# KiCad board IO_SDR_1.1.kicad_pcb (continued)
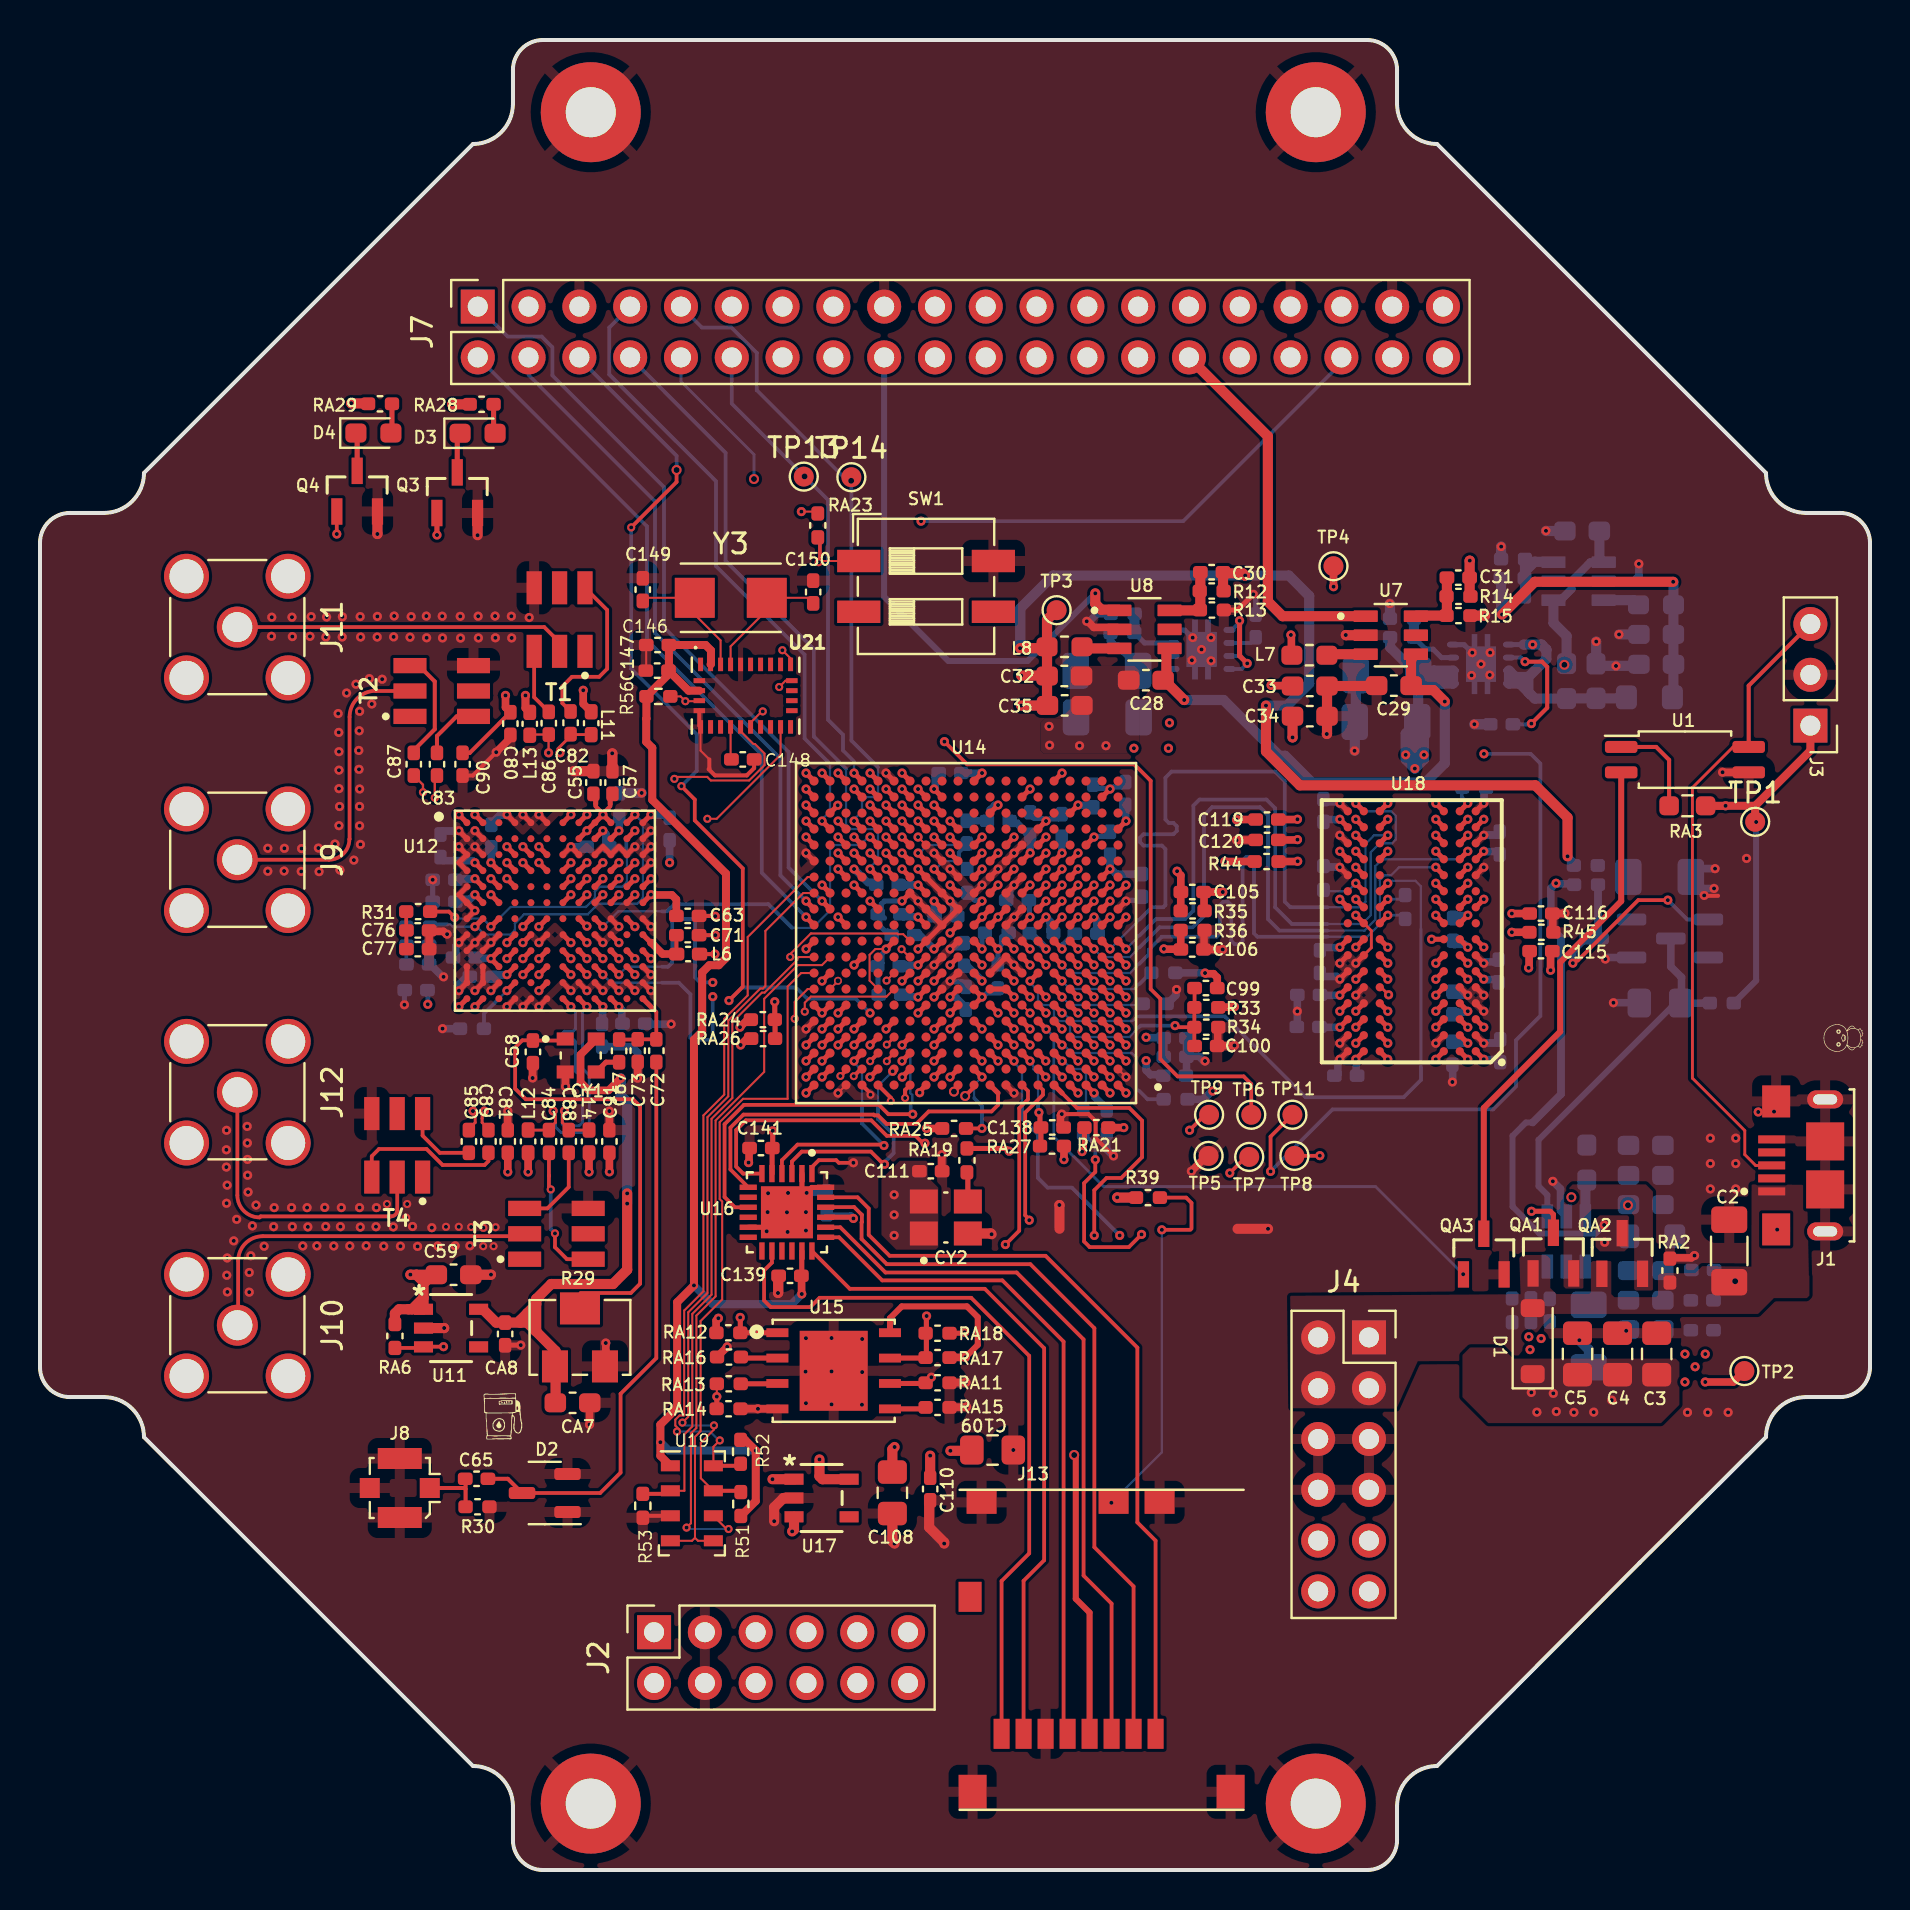
[diagram p0: board, top side]
## Placement (name value [footprint] x y rotation side) (continued)
RA22  20K  [R_0402_1005Metric_Pad0.72x0.64mm_HandSolder]  56.78 38.54 0 bottom
RA23  20K  [R_0402_1005Metric_Pad0.72x0.64mm_HandSolder]  38.89 67.23 270 top
RA24  100K  [R_0402_1005Metric_Pad0.72x0.64mm_HandSolder]  36.14 42.52 0 top
RA25  20K  [R_0402_1005Metric_Pad0.72x0.64mm_HandSolder]  45.7 37.08 180 top
RA26  100K  [R_0402_1005Metric_Pad0.72x0.64mm_HandSolder]  36.16 41.57 0 top
RA27  20K  [R_0402_1005Metric_Pad0.72x0.64mm_HandSolder]  50.6 36.19 180 top
RA28  4.7K  [R_0402_1005Metric_Pad0.72x0.64mm_HandSolder]  22.08 73.29 0 top
RA29  4.7K  [R_0402_1005Metric_Pad0.72x0.64mm_HandSolder]  17 73.31 0 top
SW1  SW_DIP_x02  [SW_DIP_SPSTx02_Slide_6.7x6.64mm_W6.73mm_P2.54mm_LowProfile_JPin]  44.3 64.18 0 top
T1  TCM1-63AX_  [XFMR_TCM1-63AX_]  25.98 62.52 180 top
T2  TCM1-63AX_  [XFMR_TCM1-63AX_]  20.09 58.95 90 top
T3  TCM1-63AX_  [XFMR_TCM1-63AX_]  25.82 31.81 90 top
T4  TCM1-63AX_  [XFMR_TCM1-63AX_]  17.86 36.23 180 top
TP1  TestPoint  [TestPoint_Pad_D1.0mm]  85.76 52.41 0 top
TP2  TestPoint  [TestPoint_Pad_D1.0mm]  85.22 24.95 0 top
TP3  TestPoint  [TestPoint_Pad_D1.0mm]  50.83 62.99 0 top
TP4  TestPoint  [TestPoint_Pad_D1.0mm]  64.67 65.19 0 top
TP5  TestPoint  [TestPoint_Pad_D1.0mm]  58.43 35.7 0 top
TP6  TestPoint  [TestPoint_Pad_D1.0mm]  60.56 37.76 0 top
TP7  TestPoint  [TestPoint_Pad_D1.0mm]  60.46 35.65 0 top
TP8  TestPoint  [TestPoint_Pad_D1.0mm]  62.72 35.7 0 top
TP9  TestPoint  [TestPoint_Pad_D1.0mm]  58.45 37.76 0 top
TP11  TestPoint  [TestPoint_Pad_D1.0mm]  62.62 37.76 0 top
TP13  TestPoint  [TestPoint_Pad_D1.0mm]  38.19 69.67 0 top
TP14  TestPoint  [TestPoint_Pad_D1.0mm]  40.57 69.64 0 top
U1  TCMT1107  [SOP-4_4.4x2.6mm_P1.27mm]  82.25 55.52 0 top
U3  -  [TCS4615]  76.93 64.44 180 bottom
U4  -  [TCS4615]  76.32 31.43 270 bottom
U5  -  [TPS7A8101DRBT]  72.05 60.3 0 bottom
U6  -  [TPS7A8101DRBT]  58.08 61.03 0 bottom
U7  -  [TCS4615]  67.54 61.74 0 top
U8  -  [TCS4615]  55.22 62.03 0 top
U11  -  [RT9193-33B]  20.55 27.1 0 top
U12  -  [AD9361BBCZ]  25.75 47.97 0 top
U14  -  [XC7Z010-1CLG400I]  46.3 46.85 180 top
U15  -  [MX25U1635EZNI-10G]  39.68 24.96 0 top
U16  -  [TXS02612RTWR]  37.35 32.89 270 top
U17  -  [RT9193-33B]  39.08 18.6 0 top
U18  -  [H5TQ4G63AFR]  68.59 46.94 180 top
U19  MS5611-01BA  [LGA-8_3x5mm_P1.25mm]  32.59 18.33 0 top
U21  BNO085  [IC_BNO080]  35.28 58.72 0 top
Y3  32.768kHz  [Crystal_SMD_Qantek_QC5CB-2Pin_5x3.2mm]  34.54 63.61 0 top

## Library data of the parts
C2-C35 C54-C141 C146-C150 CA1 CA2 CA7 CA8 = -: ki_fp_filters: C_*
CY1 = -: Datasheet: https://abracon.com/Oscillators/ASDMB.pdf; ki_fp_filters: Oscillator*SMD*Abracon*ASDMB*2.5x2.0mm*
CY2 = -: Description: 25 MHz ±20ppm Crystal 12pF 50 Ohms 4-SMD, No Lead; Availability: In Stock; Check_prices: https://www.snapeda.com/parts/ABM8AIG-25.000MHZ-12-2Z-T3/Abracon+LLC/view-part/?ref=eda; MANUFACTURER: Abracon; MAXIMUM_PACKAGE_HEIGHT: 0.8 mm; MF: Abracon LLC; MP: ABM8AIG-25.000MHZ-12-2Z-T3; PARTREV: 43629; Package: NON STANDARD Abracon; Price: None; Purchase-URL: https://www.snapeda.com/api/url_track_click_mouser/?unipart_id=2454486&manufacturer=Abracon LLC&part_name=ABM8AIG-25.000MHZ-12-2Z-T3&search_term=abm8aig-25.000mhz-12-2z-t; STANDARD: Manufacturer Recommendations; SnapEDA_Link: https://www.snapeda.com/parts/ABM8AIG-25.000MHZ-12-2Z-T3/Abracon+LLC/view-part/?ref=snap
D1 = -: Datasheet: http://www.mccsemi.com/up_pdf/MBR0520~MBR0580(SOD123).pdf; ki_fp_filters: D*SOD?123*
D3 D4 = -: ki_fp_filters: LED* LED_SMD:* LED_THT:*
H1-H4 = -: ki_fp_filters: MountingHole*Pad*
J1 = -: MANUFACTURER: Amphenol FCI; MAXIMUM_PACKAGE_HEIGHT: 2.55 mm; PARTREV: E; STANDARD: Manufacturer Recommendations
J2 J4 = -: Description: Generic connector, double row, 02x06, odd/even pin numbering scheme (row 1 odd numbers, row 2 even numbers), script generated (kicad-library-utils/schlib/autogen/connector/); ki_fp_filters: Connector*:*_2x??_*
J3 = -: ki_fp_filters: Connector*:*_1x??-1SH*
J7 = -: Description: Generic connector, double row, 02x20, counter clockwise pin numbering scheme (similar to DIP package numbering), script generated (kicad-library-utils/schlib/autogen/connector/); ki_fp_filters: Connector*:*_2x??_*
J8 = -: ki_fp_filters: *BNC* *SMA* *SMB* *SMC* *Cinch* *LEMO*
J9-J12 = -: PARTREV: 7/20/16; STANDARD: Manufacturer Recommendations; MAXIMUM_PACKAGE_HEIGHT: 10.45mm; MANUFACTURER: Adam Tech
J13 = -: Description: Conn IC Socket SD Memory Cd Micro 1.10mm 8Cir Norm Mnt SMT Push-Push LF | Molex Incorporated 502570-0893; Availability: In Stock; Check_prices: https://www.snapeda.com/parts/502570-0893/Molex/view-part/?ref=eda; MF: Molex; Package: None; Price: None; Purchase-URL: https://www.snapeda.com/api/url_track_click_mouser/?unipart_id=225170&manufacturer=Molex&part_name=502570-0893&search_term=tf_sd_socket; SnapEDA_Link: https://www.snapeda.com/parts/502570-0893/Molex/view-part/?ref=snap
L1-L8 L11-L14 = -: ki_fp_filters: Choke_* *Coil* Inductor_* L_*
Q1 Q2 = -: Datasheet: http://www.onsemi.com/pub_link/Collateral/2N3055-D.PDF; ki_fp_filters: TO?3*
R1-R15 R30-R48 R51-R53 R56 RA2 RA3 RA6 RA8 RA11-RA29 = -: ki_fp_filters: R_*
R29 = -: ki_fp_filters: Potentiometer*
SW1 = -: ki_fp_filters: SW?DIP?x2*
T1-T4 = -: Description: Audio Transformers / Signal Transformers 1:1 CORE & WIRE Transformer, 10 - 6000 MHz, 50 ohms; Availability: In Stock; Check_prices: https://www.snapeda.com/parts/TCM1-63AX+/Mini-Circuits/view-part/?ref=eda; MANUFACTURER: Mini Circuits; MF: Mini-Circuits; MP: TCM1-63AX+; Package: SMD-6 Mini-Circuits; Price: None; Purchase-URL: https://www.snapeda.com/api/url_track_click_mouser/?unipart_id=1737112&manufacturer=Mini-Circuits&part_name=TCM1-63AX+&search_term=tcm1-63ax; SnapEDA_Link: https://www.snapeda.com/parts/TCM1-63AX+/Mini-Circuits/view-part/?ref=snap
TP1-TP9 TP11 TP13 TP14 = -: ki_fp_filters: Pin* Test*
U1 = -: Datasheet: http://www.vishay.com/docs/83510/tcmt1100.pdf; ki_fp_filters: SOP*4.4x2.6mm*P1.27mm*
U12 = -: Description: RF Agile Transceiver; Availability: In Stock; Check_prices: https://www.snapeda.com/parts/AD9361BBCZ/Analog+Devices/view-part/?ref=eda; MANUFACTURER: Analog Devices; MF: Analog Devices; Package: CSPBGA -144 Analog Devices; Price: None; Purchase-URL: https://www.snapeda.com/api/url_track_click_mouser/?unipart_id=214533&manufacturer=Analog Devices&part_name=AD9361BBCZ&search_term=ad9361bbcz; SnapEDA_Link: https://www.snapeda.com/parts/AD9361BBCZ/Analog+Devices/view-part/?ref=snap
U16 = -: Description: SDIO Port Expander With Voltage-Level Translation; Availability: In Stock; Check_prices: https://www.snapeda.com/parts/TXS02612RTWR/Texas+Instruments/view-part/?ref=eda; MANUFACTURER: Texas Instruments; MAXIMUM_PACKAGE_HEIGHT: 0.8mm; MF: Texas Instruments; PARTREV: 4219135/B 11/2016; Package: WQFN-24 Texas Instruments; Price: None; Purchase-URL: https://www.snapeda.com/api/url_track_click_mouser/?unipart_id=422836&manufacturer=Texas Instruments&part_name=TXS02612RTWR&search_term=txs02612rtwr; STANDARD: IPC-7351B; SnapEDA_Link: https://www.snapeda.com/parts/TXS02612RTWR/Texas+Instruments/view-part/?ref=snap
U19 = -: Datasheet: https://www.te.com/commerce/DocumentDelivery/DDEController?Action=srchrtrv&DocNm=MS5611-01BA03&DocType=Data+Sheet&DocLang=English; ki_fp_filters: LGA*3x5mm*P1.25mm*
U21 = -: Datasheet: https://www.bosch-sensortec.com/media/boschsensortec/downloads/datasheets/bst-bno055-ds000.pdf; ki_fp_filters: LGA*5.2x3.8mm*P0.5mm*
Y3 = -: ki_fp_filters: Crystal*

## Footprints (pads in the part's own frame, mm; a bottom-side part is the same pattern mirrored in y, then rotated)
AD9361BBCZ
  round 0.35 smd: A1(-4.4,4.4) A2(-3.6,4.4) A3(-2.8,4.4) A4(-2,4.4) A5(-1.2,4.4) A6(-0.4,4.4) A7(0.4,4.4) A8(1.2,4.4) A9(2,4.4) A10(2.8,4.4) A11(3.6,4.4) A12(4.4,4.4) B1(-4.4,3.6) B2(-3.6,3.6) B3(-2.8,3.6) B4(-2,3.6) B5(-1.2,3.6) B6(-0.4,3.6) B7(0.4,3.6) B8(1.2,3.6) B9(2,3.6) B10(2.8,3.6) B11(3.6,3.6) B12(4.4,3.6) C1(-4.4,2.8) C2(-3.6,2.8) C3(-2.8,2.8) C4(-2,2.8) C5(-1.2,2.8) C6(-0.4,2.8) C7(0.4,2.8) C8(1.2,2.8) C9(2,2.8) C10(2.8,2.8) C11(3.6,2.8) C12(4.4,2.8) D1(-4.4,2) D2(-3.6,2) D3(-2.8,2) D4(-2,2) D5(-1.2,2) D6(-0.4,2) D7(0.4,2) D8(1.2,2) D9(2,2) D10(2.8,2) D11(3.6,2) D12(4.4,2) E1(-4.4,1.2) E2(-3.6,1.2) E3(-2.8,1.2) E4(-2,1.2) E5(-1.2,1.2) E6(-0.4,1.2) E7(0.4,1.2) E8(1.2,1.2) E9(2,1.2) E10(2.8,1.2) E11(3.6,1.2) E12(4.4,1.2) F1(-4.4,0.4) F2(-3.6,0.4) F3(-2.8,0.4) F4(-2,0.4) F5(-1.2,0.4) F6(-0.4,0.4) F7(0.4,0.4) F8(1.2,0.4) F9(2,0.4) F10(2.8,0.4) F11(3.6,0.4) F12(4.4,0.4) G1(-4.4,-0.4) G2(-3.6,-0.4) G3(-2.8,-0.4) G4(-2,-0.4) G5(-1.2,-0.4) G6(-0.4,-0.4) G7(0.4,-0.4) G8(1.2,-0.4) G9(2,-0.4) G10(2.8,-0.4) G11(3.6,-0.4) G12(4.4,-0.4) H1(-4.4,-1.2) H2(-3.6,-1.2) H3(-2.8,-1.2) H4(-2,-1.2) H5(-1.2,-1.2) H6(-0.4,-1.2) H7(0.4,-1.2) H8(1.2,-1.2) H9(2,-1.2) H10(2.8,-1.2) H11(3.6,-1.2) H12(4.4,-1.2) J1(-4.4,-2) J2(-3.6,-2) J3(-2.8,-2) J4(-2,-2) J5(-1.2,-2) J6(-0.4,-2) J7(0.4,-2) J8(1.2,-2) J9(2,-2) J10(2.8,-2) J11(3.6,-2) J12(4.4,-2) K1(-4.4,-2.8) K2(-3.6,-2.8) K3(-2.8,-2.8) K4(-2,-2.8) K5(-1.2,-2.8) K6(-0.4,-2.8) K7(0.4,-2.8) K8(1.2,-2.8) K9(2,-2.8) K10(2.8,-2.8) K11(3.6,-2.8) K12(4.4,-2.8) L1(-4.4,-3.6) L2(-3.6,-3.6) L3(-2.8,-3.6) L4(-2,-3.6) L5(-1.2,-3.6) L6(-0.4,-3.6) L7(0.4,-3.6) L8(1.2,-3.6) L9(2,-3.6) L10(2.8,-3.6) L11(3.6,-3.6) L12(4.4,-3.6) M1(-4.4,-4.4) M2(-3.6,-4.4) M3(-2.8,-4.4) M4(-2,-4.4) M5(-1.2,-4.4) M6(-0.4,-4.4) M7(0.4,-4.4) M8(1.2,-4.4) M9(2,-4.4) M10(2.8,-4.4) M11(3.6,-4.4) M12(4.4,-4.4)
AMPHENOL_10118193-0001LF
  rect 0.4x1.35 smd: 1(-1.3,2.675) 2(-0.65,2.675) 3(0,2.675) 4(0.65,2.675) 5(1.3,2.675)
  rect 1.6x1.4 smd: S1(-3.2,2.45) S2(3.2,2.45)
  rect 1.9x1.9 smd: S3(1.2,0) S4(-1.2,0)
  oval 0.9x1.8 hole 0.5x1.2: S5(-3.3,0) S6(3.3,0)
C_0402_1005Metric_Pad0.74x0.62mm_HandSolder
  rrect 0.735x0.62 smd: 1(-0.568,0) 2(0.568,0)
C_0603_1608Metric_Pad1.08x0.95mm_HandSolder
  rrect 1.075x0.95 smd: 1(-0.863,0) 2(0.863,0)
C_0805_2012Metric_Pad1.18x1.45mm_HandSolder
  rrect 1.175x1.45 smd: 1(-1.038,0) 2(1.038,0)
C_1206_3216Metric_Pad1.33x1.80mm_HandSolder
  rrect 1.325x1.8 smd: 1(-1.562,0) 2(1.562,0)
Crystal_SMD_Qantek_QC5CB-2Pin_5x3.2mm
  rect 2x2 smd: 1(-1.8,0) 2(1.8,0)
D_SOD-123
  rrect 0.9x1.2 smd: 1(-1.65,0) 2(1.65,0)
H5TQ4G63AFR
  round 0.41 smd: A1(-3.2,6) A2(-2.4,6) A3(-1.6,6) A7(1.6,6) A8(2.4,6) A9(3.2,6) B1(-3.2,5.2) B2(-2.4,5.2) B3(-1.6,5.2) B7(1.6,5.2) B8(2.4,5.2) B9(3.2,5.2) C1(-3.2,4.4) C2(-2.4,4.4) C3(-1.6,4.4) C7(1.6,4.4) C8(2.4,4.4) C9(3.2,4.4) D1(-3.2,3.6) D2(-2.4,3.6) D3(-1.6,3.6) D7(1.6,3.6) D8(2.4,3.6) D9(3.2,3.6) E1(-3.2,2.8) E2(-2.4,2.8) E3(-1.6,2.8) E7(1.6,2.8) E8(2.4,2.8) E9(3.2,2.8) F1(-3.2,2) F2(-2.4,2) F3(-1.6,2) F7(1.6,2) F8(2.4,2) F9(3.2,2) G1(-3.2,1.2) G2(-2.4,1.2) G3(-1.6,1.2) G7(1.6,1.2) G8(2.4,1.2) G9(3.2,1.2) H1(-3.2,0.4) H2(-2.4,0.4) H3(-1.6,0.4) H7(1.6,0.4) H8(2.4,0.4) H9(3.2,0.4) J1(-3.2,-0.4) J2(-2.4,-0.4) J3(-1.6,-0.4) J7(1.6,-0.4) J8(2.4,-0.4) J9(3.2,-0.4) K1(-3.2,-1.2) K2(-2.4,-1.2) K3(-1.6,-1.2) K7(1.6,-1.2) K8(2.4,-1.2) K9(3.2,-1.2) L1(-3.2,-2) L2(-2.4,-2) L3(-1.6,-2) L7(1.6,-2) L8(2.4,-2) L9(3.2,-2) M1(-3.2,-2.8) M2(-2.4,-2.8) M3(-1.6,-2.8) M7(1.6,-2.8) M8(2.4,-2.8) M9(3.2,-2.8) N1(-3.2,-3.6) N2(-2.4,-3.6) N3(-1.6,-3.6) N7(1.6,-3.6) N8(2.4,-3.6) N9(3.2,-3.6) P1(-3.2,-4.4) P2(-2.4,-4.4) P3(-1.6,-4.4) P7(1.6,-4.4) P8(2.4,-4.4) P9(3.2,-4.4) R1(-3.2,-5.2) R2(-2.4,-5.2) R3(-1.6,-5.2) R7(1.6,-5.2) R8(2.4,-5.2) R9(3.2,-5.2) T1(-3.2,-6) T2(-2.4,-6) T3(-1.6,-6) T7(1.6,-6) T8(2.4,-6) T9(3.2,-6)
HR8031GS6
  rect 1.321x0.559 smd: 1(-1.016,1.016) 2(-1.016,-1.016) 3(1.016,0)
IC_BNO080
  rect 0.25x0.675 smd: 1(-2.25,1.562) 6(-2.25,-1.562) 7(-1.75,-1.562) 8(-1.25,-1.562) 9(-0.75,-1.562) 10(-0.25,-1.562) 11(0.25,-1.562) 12(0.75,-1.562) 13(1.25,-1.562) 14(1.75,-1.562) 15(2.25,-1.562) 20(2.25,1.562) 21(1.75,1.562) 22(1.25,1.562) 23(0.75,1.562) 24(0.25,1.562) 25(-0.25,1.562) 26(-0.75,1.562) 27(-1.25,1.562) 28(-1.75,1.562)
  rect 0.575x0.25 smd: 2(-2.312,0.75) 3(-2.312,0.25) 4(-2.312,-0.25) 5(-2.312,-0.75) 16(2.312,-0.75) 17(2.312,-0.25) 18(2.312,0.25) 19(2.312,0.75)
L_0402_1005Metric_Pad0.77x0.64mm_HandSolder
  rrect 0.765x0.64 smd: 1(-0.573,0) 2(0.573,0)
L_0603_1608Metric_Pad1.05x0.95mm_HandSolder
  rrect 1.05x0.95 smd: 1(-0.875,0) 2(0.875,0)
L_0805_2012Metric_Pad1.05x1.20mm_HandSolder
  rrect 1.05x1.2 smd: 1(-1.15,0) 2(1.15,0)
LED_0603_1608Metric_Pad1.05x0.95mm_HandSolder
  rrect 1.05x0.95 smd: 1(-0.875,0) 2(0.875,0)
LGA-8_3x5mm_P1.25mm
  rect 0.95x0.55 smd: 1(-1.075,1.875) 2(-1.075,0.625) 3(-1.075,-0.625) 4(-1.075,-1.875) 5(1.075,-1.875) 6(1.075,-0.625) 7(1.075,0.625) 8(1.075,1.875)
MOLEX_502570-0893
  rect 0.8x1.5 smd: 1(-2.7,4.2) 2(-1.6,4.2) 3(-0.5,4.2) 4(0.6,4.2) 5(1.7,4.2) 6(2.8,4.2) 7(3.9,4.2) 8(5,4.2)
  rect 1.15x1.5 smd: DL(6.575,-2.65)
  rect 1.5x1.15 smd: DS(-0.6,-7.375) S3(-2.9,-7.375) S4(6,-7.375)
  rect 1.4x1.7 smd: S1(-6.45,7.1) S2(6.45,7.1)
MountingHole_2.5mm_Pad
  round 5 hole 2.5: 1(0,0)
MX25U1635EZNI-10G
  rect 1.1x0.44 smd: 1(-2.815,1.905) 2(-2.815,0.635) 3(-2.815,-0.635) 4(-2.815,-1.905) 5(2.815,-1.905) 6(2.815,-0.635) 7(2.815,0.635) 8(2.815,1.905)
  rect 3.4x4 smd: 9(0,0)
PinHeader_1x03_P2.54mm_Vertical
  rect 1.7x1.7 hole 1: 1(0,0)
  oval 1.7x1.7 hole 1: 2(0,-2.54) 3(0,-5.08)
PinSocket_2x06_P2.54mm_Vertical
  rect 1.7x1.7 hole 1: 1(0,0)
  oval 1.7x1.7 hole 1: 2(-2.54,0) 3(0,-2.54) 4(-2.54,-2.54) 5(0,-5.08) 6(-2.54,-5.08) 7(0,-7.62) 8(-2.54,-7.62) 9(0,-10.16) 10(-2.54,-10.16) 11(0,-12.7) 12(-2.54,-12.7)
PinSocket_2x20_P2.54mm_Vertical
  rect 1.7x1.7 hole 1: 1(0,0)
  oval 1.7x1.7 hole 1: 2(-2.54,0) 3(0,-2.54) 4(-2.54,-2.54) 5(0,-5.08) 6(-2.54,-5.08) 7(0,-7.62) 8(-2.54,-7.62) 9(0,-10.16) 10(-2.54,-10.16) 11(0,-12.7) 12(-2.54,-12.7) 13(0,-15.24) 14(-2.54,-15.24) 15(0,-17.78) 16(-2.54,-17.78) 17(0,-20.32) 18(-2.54,-20.32) 19(0,-22.86) 20(-2.54,-22.86) 21(0,-25.4) 22(-2.54,-25.4) 23(0,-27.94) 24(-2.54,-27.94) 25(0,-30.48) 26(-2.54,-30.48) 27(0,-33.02) 28(-2.54,-33.02) 29(0,-35.56) 30(-2.54,-35.56) 31(0,-38.1) 32(-2.54,-38.1) 33(0,-40.64) 34(-2.54,-40.64) 35(0,-43.18) 36(-2.54,-43.18) 37(0,-45.72) 38(-2.54,-45.72) 39(0,-48.26) 40(-2.54,-48.26)
Potentiometer_Bourns_3214W_Vertical
  rect 1.3x1.6 smd: 1(1.25,1.45) 3(-1.25,1.45)
  rect 2x1.6 smd: 2(0,-1.45)
R_0402_1005Metric_Pad0.72x0.64mm_HandSolder
  rrect 0.715x0.64 smd: 1(-0.598,0) 2(0.598,0)
R_0603_1608Metric_Pad0.98x0.95mm_HandSolder
  rrect 0.975x0.95 smd: 1(-0.912,0) 2(0.912,0)
RT9193-33B
  rect 0.953x0.559 smd: 1(-1.378,0.94) 2(-1.378,0) 3(-1.378,-0.94) 4(1.378,-0.94) 5(1.378,0.94)
SMA_Amphenol_901-144_Vertical
  round 2.05 hole 1.5: 1(0,0)
  round 2.25 hole 1.7: 2(-2.54,2.54) 2(-2.54,-2.54) 2(2.54,2.54) 2(2.54,-2.54)
SOP-4_4.4x2.6mm_P1.27mm
  rrect 1.625x0.6 smd: 1(-3.188,0.635) 2(-3.188,-0.635) 3(3.188,-0.635) 4(3.188,0.635)
SOT23 MOSFET FOOT PRINT
  rect 1.321x0.559 smd: 1(-1.016,1.016) 2(-1.016,-1.016) 3(1.016,0)
SOT-23
  rrect 1.475x0.6 smd: 1(-0.938,0.95) 2(-0.938,-0.95) 3(0.938,0)
SOT-23-3
  rrect 1.325x0.6 smd: 1(-1.137,0.95) 2(-1.137,-0.95) 3(1.137,0)
SW_DIP_SPSTx02_Slide_6.7x6.64mm_W6.73mm_P2.54mm_LowProfile_JPin
  rect 2.16x1.12 smd: 1(-3.365,1.27) 2(-3.365,-1.27) 3(3.365,-1.27) 4(3.365,1.27)
TCS4615
  rrect 1.21x0.58 smd: 1(-1.255,0.95) 2(-1.255,0) 3(-1.255,-0.95) 4(1.255,-0.95) 5(1.255,0) 6(1.255,0.95)
TestPoint_Pad_D1.0mm
  round 1 smd: 1(0,0)
TPS7A8101DRBT
  oval 0.6x0.3 smd: 1(-1.4,0.975) 2(-1.4,0.325) 3(-1.4,-0.325) 4(-1.4,-0.975) 5(1.4,-0.975) 6(1.4,-0.325) 7(1.4,0.325) 8(1.4,0.975)
  rect 1.5x1.75 smd: 9(0,0)
TXS02612RTWR
  rrect 0.86x0.27 smd: 1(-1.935,1.25) 2(-1.935,0.75) 3(-1.935,0.25) 4(-1.935,-0.25) 5(-1.935,-0.75) 6(-1.935,-1.25) 13(1.935,-1.25) 14(1.935,-0.75) 15(1.935,-0.25) 16(1.935,0.25) 17(1.935,0.75) 18(1.935,1.25)
  rrect 0.27x0.86 smd: 7(-1.25,-1.935) 8(-0.75,-1.935) 9(-0.25,-1.935) 10(0.25,-1.935) 11(0.75,-1.935) 12(1.25,-1.935) 19(1.25,1.935) 20(0.75,1.935) 21(0.25,1.935) 22(-0.25,1.935) 23(-0.75,1.935) 24(-1.25,1.935)
  rect 2.6x2.6 smd: 25(0,0)
U.FL_Molex_MCRF_73412-0110_Vertical
  rect 1x1 smd: 1(0,-1.5) 2(0,1.5)
  rect 1.05x2.2 smd: 2(-1.475,0) 2(1.475,0)
XC7Z010-1CLG400I
  round 0.45 smd: A1(-7.6,7.6) A2(-6.8,7.6) A3(-6,7.6) A4(-5.2,7.6) A5(-4.4,7.6) A6(-3.6,7.6) A7(-2.8,7.6) A8(-2,7.6) A9(-1.2,7.6) A10(-0.4,7.6) A11(0.4,7.6) A12(1.2,7.6) A13(2,7.6) A14(2.8,7.6) A15(3.6,7.6) A16(4.4,7.6) A17(5.2,7.6) A18(6,7.6) A19(6.8,7.6) A20(7.6,7.6) B1(-7.6,6.8) B2(-6.8,6.8) B3(-6,6.8) B4(-5.2,6.8) B5(-4.4,6.8) B6(-3.6,6.8) B7(-2.8,6.8) B8(-2,6.8) B9(-1.2,6.8) B10(-0.4,6.8) B11(0.4,6.8) B12(1.2,6.8) B13(2,6.8) B14(2.8,6.8) B15(3.6,6.8) B16(4.4,6.8) B17(5.2,6.8) B18(6,6.8) B19(6.8,6.8) B20(7.6,6.8) C1(-7.6,6) C2(-6.8,6) C3(-6,6) C4(-5.2,6) C5(-4.4,6) C6(-3.6,6) C7(-2.8,6) C8(-2,6) C9(-1.2,6) C10(-0.4,6) C11(0.4,6) C12(1.2,6) C13(2,6) C14(2.8,6) C15(3.6,6) C16(4.4,6) C17(5.2,6) C18(6,6) C19(6.8,6) C20(7.6,6) D1(-7.6,5.2) D2(-6.8,5.2) D3(-6,5.2) D4(-5.2,5.2) D5(-4.4,5.2) D6(-3.6,5.2) D7(-2.8,5.2) D8(-2,5.2) D9(-1.2,5.2) D10(-0.4,5.2) D11(0.4,5.2) D12(1.2,5.2) D13(2,5.2) D14(2.8,5.2) D15(3.6,5.2) D16(4.4,5.2) D17(5.2,5.2) D18(6,5.2) D19(6.8,5.2) D20(7.6,5.2) E1(-7.6,4.4) E2(-6.8,4.4) E3(-6,4.4) E4(-5.2,4.4) E5(-4.4,4.4) E6(-3.6,4.4) E7(-2.8,4.4) E8(-2,4.4) E9(-1.2,4.4) E10(-0.4,4.4) E11(0.4,4.4) E12(1.2,4.4) E13(2,4.4) E14(2.8,4.4) E15(3.6,4.4) E16(4.4,4.4) E17(5.2,4.4) E18(6,4.4) E19(6.8,4.4) E20(7.6,4.4) F1(-7.6,3.6) F2(-6.8,3.6) F3(-6,3.6) F4(-5.2,3.6) F5(-4.4,3.6) F6(-3.6,3.6) F7(-2.8,3.6) F8(-2,3.6) F9(-1.2,3.6) F10(-0.4,3.6) F11(0.4,3.6) F12(1.2,3.6) F13(2,3.6) F14(2.8,3.6) F15(3.6,3.6) F16(4.4,3.6) F17(5.2,3.6) F18(6,3.6) F19(6.8,3.6) F20(7.6,3.6) G1(-7.6,2.8) G2(-6.8,2.8) G3(-6,2.8) G4(-5.2,2.8) G5(-4.4,2.8) G6(-3.6,2.8) G7(-2.8,2.8) G8(-2,2.8) G9(-1.2,2.8) G10(-0.4,2.8) G11(0.4,2.8) G12(1.2,2.8) G13(2,2.8) G14(2.8,2.8) G15(3.6,2.8) G16(4.4,2.8) G17(5.2,2.8) G18(6,2.8) G19(6.8,2.8) G20(7.6,2.8) H1(-7.6,2) H2(-6.8,2) H3(-6,2) H4(-5.2,2) H5(-4.4,2) H6(-3.6,2) H7(-2.8,2) H8(-2,2) H9(-1.2,2) H10(-0.4,2) H11(0.4,2) H12(1.2,2) H13(2,2) H14(2.8,2) H15(3.6,2) H16(4.4,2) H17(5.2,2) H18(6,2) H19(6.8,2) H20(7.6,2) J1(-7.6,1.2) J2(-6.8,1.2) J3(-6,1.2) J4(-5.2,1.2) J5(-4.4,1.2) J6(-3.6,1.2) J7(-2.8,1.2) J8(-2,1.2) J9(-1.2,1.2) J10(-0.4,1.2) J11(0.4,1.2) J12(1.2,1.2) J13(2,1.2) J14(2.8,1.2) J15(3.6,1.2) J16(4.4,1.2) J17(5.2,1.2) J18(6,1.2) J19(6.8,1.2) J20(7.6,1.2) K1(-7.6,0.4) K2(-6.8,0.4) K3(-6,0.4) K4(-5.2,0.4) K5(-4.4,0.4) K6(-3.6,0.4) K7(-2.8,0.4) K8(-2,0.4) K9(-1.2,0.4) K10(-0.4,0.4) K11(0.4,0.4) K12(1.2,0.4) K13(2,0.4) K14(2.8,0.4) K15(3.6,0.4) K16(4.4,0.4) K17(5.2,0.4) K18(6,0.4) K19(6.8,0.4) K20(7.6,0.4) L1(-7.6,-0.4) L2(-6.8,-0.4) L3(-6,-0.4) L4(-5.2,-0.4) L5(-4.4,-0.4) L6(-3.6,-0.4) L7(-2.8,-0.4) L8(-2,-0.4) L9(-1.2,-0.4) L10(-0.4,-0.4) L11(0.4,-0.4) L12(1.2,-0.4) L13(2,-0.4) L14(2.8,-0.4) L15(3.6,-0.4) L16(4.4,-0.4) L17(5.2,-0.4) L18(6,-0.4) L19(6.8,-0.4) L20(7.6,-0.4) M1(-7.6,-1.2) M2(-6.8,-1.2) M3(-6,-1.2) M4(-5.2,-1.2) M5(-4.4,-1.2) M6(-3.6,-1.2) M7(-2.8,-1.2) M8(-2,-1.2) M9(-1.2,-1.2) M10(-0.4,-1.2) M11(0.4,-1.2) M12(1.2,-1.2) M13(2,-1.2) M14(2.8,-1.2) M15(3.6,-1.2) M16(4.4,-1.2) M17(5.2,-1.2) M18(6,-1.2) M19(6.8,-1.2) M20(7.6,-1.2) N1(-7.6,-2) N2(-6.8,-2) N3(-6,-2) N4(-5.2,-2) N5(-4.4,-2) N6(-3.6,-2) N7(-2.8,-2) N8(-2,-2) N9(-1.2,-2) N10(-0.4,-2) N11(0.4,-2) N12(1.2,-2) N13(2,-2) N14(2.8,-2) N15(3.6,-2) N16(4.4,-2) N17(5.2,-2) N18(6,-2) N19(6.8,-2) N20(7.6,-2) P1(-7.6,-2.8) P2(-6.8,-2.8) P3(-6,-2.8) P4(-5.2,-2.8) P5(-4.4,-2.8) P6(-3.6,-2.8) P7(-2.8,-2.8) P8(-2,-2.8) P9(-1.2,-2.8) P10(-0.4,-2.8) P11(0.4,-2.8) P12(1.2,-2.8) P13(2,-2.8) P14(2.8,-2.8) P15(3.6,-2.8) P16(4.4,-2.8) P17(5.2,-2.8) P18(6,-2.8) P19(6.8,-2.8) P20(7.6,-2.8) R1(-7.6,-3.6) R2(-6.8,-3.6) R3(-6,-3.6) R4(-5.2,-3.6) R5(-4.4,-3.6) R6(-3.6,-3.6) R7(-2.8,-3.6) R8(-2,-3.6) R9(-1.2,-3.6) R10(-0.4,-3.6) R11(0.4,-3.6) R12(1.2,-3.6) R13(2,-3.6) R14(2.8,-3.6) R15(3.6,-3.6) R16(4.4,-3.6) R17(5.2,-3.6) R18(6,-3.6) R19(6.8,-3.6) R20(7.6,-3.6) T1(-7.6,-4.4) T2(-6.8,-4.4) T3(-6,-4.4) T4(-5.2,-4.4) T5(-4.4,-4.4) T6(-3.6,-4.4) T7(-2.8,-4.4) T8(-2,-4.4) T9(-1.2,-4.4) T10(-0.4,-4.4) T11(0.4,-4.4) T12(1.2,-4.4) T13(2,-4.4) T14(2.8,-4.4) T15(3.6,-4.4) T16(4.4,-4.4) T17(5.2,-4.4) T18(6,-4.4) T19(6.8,-4.4) T20(7.6,-4.4) U1(-7.6,-5.2) U2(-6.8,-5.2) U3(-6,-5.2) U4(-5.2,-5.2) U5(-4.4,-5.2) U6(-3.6,-5.2) U7(-2.8,-5.2) U8(-2,-5.2) U9(-1.2,-5.2) U10(-0.4,-5.2) U11(0.4,-5.2) U12(1.2,-5.2) U13(2,-5.2) U14(2.8,-5.2) U15(3.6,-5.2) U16(4.4,-5.2) U17(5.2,-5.2) U18(6,-5.2) U19(6.8,-5.2) U20(7.6,-5.2) V1(-7.6,-6) V2(-6.8,-6) V3(-6,-6) V4(-5.2,-6) V5(-4.4,-6) V6(-3.6,-6) V7(-2.8,-6) V8(-2,-6) V9(-1.2,-6) V10(-0.4,-6) V11(0.4,-6) V12(1.2,-6) V13(2,-6) V14(2.8,-6) V15(3.6,-6) V16(4.4,-6) V17(5.2,-6) V18(6,-6) V19(6.8,-6) V20(7.6,-6) W1(-7.6,-6.8) W2(-6.8,-6.8) W3(-6,-6.8) W4(-5.2,-6.8) W5(-4.4,-6.8) W6(-3.6,-6.8) W7(-2.8,-6.8) W8(-2,-6.8) W9(-1.2,-6.8) W10(-0.4,-6.8) W11(0.4,-6.8) W12(1.2,-6.8) W13(2,-6.8) W14(2.8,-6.8) W15(3.6,-6.8) W16(4.4,-6.8) W17(5.2,-6.8) W18(6,-6.8) W19(6.8,-6.8) W20(7.6,-6.8) Y1(-7.6,-7.6) Y2(-6.8,-7.6) Y3(-6,-7.6) Y4(-5.2,-7.6) Y5(-4.4,-7.6) Y6(-3.6,-7.6) Y7(-2.8,-7.6) Y8(-2,-7.6) Y9(-1.2,-7.6) Y10(-0.4,-7.6) Y11(0.4,-7.6) Y12(1.2,-7.6) Y13(2,-7.6) Y14(2.8,-7.6) Y15(3.6,-7.6) Y16(4.4,-7.6) Y17(5.2,-7.6) Y18(6,-7.6) Y19(6.8,-7.6) Y20(7.6,-7.6)
XFMR_TCM1-63AX_
  rect 0.762x1.651 smd: 1(-1.27,1.587) 2(0,1.587) 3(1.27,1.587) 4(1.27,-1.587) 5(0,-1.587) 6(-1.27,-1.587)
XTAL_ABM8AIG-25.000MHZ-12-2Z-T3
  rect 1.2x1.4 smd: 1(-0.8,1.1) 2(-0.8,-1.1) 3(0.8,-1.1) 4(0.8,1.1)
XTAL_ASDMB-33.333MHZ-LC-T
  rect 0.85x0.65 smd: 1(-0.775,0.825) 2(-0.775,-0.825) 3(0.775,-0.825) 4(0.775,0.825)

## Nets
+1V0: C30.1 C32.1 C35.1 C92.1 C93.1 C94.1 C95.1 C96.1 C97.1 C98.1 C101.1 C102.1 C103.1 C104.1 C107.1 L8.2 R1.1 R12.1 TP3.1 U14.G7 U14.G11 U14.G13 U14.H10 U14.H12 U14.J7 U14.J13 U14.K12 U14.L7 U14.L13 U14.M12 U14.N7 U14.N13 U14.P8 U14.P12 U14.R7 U14.R13
+1V2: C21.1 C26.1 C55.1 C57.1 C61.1 C63.1 C66.1 C68.1 C74.1 C75.1 C80.1 C81.1 C90.1 C91.1 L11.2 L12.2 L13.2 L14.2 R10.1 U6.1 U6.2 U12.A9 U12.A10 U12.B8 U12.D2 U12.D3 U12.E3 U12.F12 U12.K4 U12.M9 U12.M10
+1V5: C31.1 C33.1 C34.1 C99.1 C105.1 C113.1 C114.1 C115.1 C117.1 C118.1 C119.1 C121.1 C122.1 C123.1 C124.1 C125.1 C126.1 C127.1 C128.1 C129.1 C130.1 C131.1 C132.1 C133.1 C134.1 C135.1 C136.1 C137.1 L7.2 R14.1 R33.1 R35.1 R37.2 R44.1 TP4.1 U14.A3 U14.D2 U14.E5 U14.G1 U14.H4 U14.L3 U14.P2 U14.R5 U14.U1 U14.V4 U18.A1 U18.A8 U18.B2 U18.C1 U18.C9 U18.D2 U18.D9 U18.E9 U18.F1 U18.G7 U18.H2 U18.H9 U18.K2 U18.K8 U18.N1 U18.N9 U18.R1 U18.R9
+1V8: C17.1 C19.1 C20.1 C25.1 C111.1 C112.1 C141.1 CA1.1 CA2.1 CY2.1 CY2.4 J7.30 L5.2 L6.1 R39.1 R40.2 R41.2 R42.1 RA12.1 RA17.1 RA21.2 RA22.2 RA23.1 RA25.2 RA26.1 RA27.1 TP2.1 U7.1 U14.A13 U14.B6 U14.B16 U14.C19 U14.D7 U14.D12 U14.E15 U14.F8 U14.F18 U14.G8 U14.G9 U14.H8 U14.H14 U14.J11 U14.J17 U14.K6 U14.K8 U14.K20 U14.L11 U14.M8 U14.M16 U14.N9 U14.N11 U14.N19 U14.P10 U14.R9 U14.R15 U14.T8 U14.T18 U14.U11 U14.V14 U14.W7 U14.W17 U14.Y10 U14.Y20 U15.8 U16.5
+3.3V: CA7.1 CA8.1 CY1.4 R29.1 U11.5
+3V3: C108.1 C109.1 C110.1 C139.1 C140.1 C146.1 C147.1 J2.1 J2.2 J13.4 R51.1 R52.1 R56.1 U16.17 U16.21 U17.5 U19.1 U21.3 U21.28
+5VA: C3.1 C4.1 C5.1 C6.1 C8.1 C28.1 C29.1 C59.1 D1.1 J3.1 J7.18 L2.1 QA2.3 R2.1 R3.1 RA3.1 RA6.1 RA28.1 RA29.1 TP1.1 U3.1 U3.4 U4.4 U7.4 U8.1 U8.4 U11.1 U17.1 U17.3
+5VD: C2.1 D1.2 J1.1 J4.1 J4.2 J4.3 J4.4 J7.11 QA1.1 QA2.1 RA2.1
+5VP: QA1.3
+15V: C115.2 C116.1 C119.2 C120.1 R44.2 R45.1 U18.H1 U18.M8
GND: C2.2 C3.2 C4.2 C5.2 C6.2 C7.2 C8.2 C9.2 C11.2 C12.2 C13.2 C15.2 C16.2 C17.2 C18.2 C19.2 C20.2 C21.2 C22.2 C23.2 C24.2 C25.2 C26.2 C27.2 C28.2 C29.2 C32.2 C33.2 C34.2 C35.2 C54.2 C55.2 C56.2 C57.2 C58.2 C59.2 C60.2 C61.2 C62.2 C63.2 C64.2 C66.2 C68.2 C69.2 C70.2 C71.2 C73.2 C74.2 C75.2 C76.1 C77.1 C78.1 C79.1 C80.2 C81.2 C90.2 C91.2 C92.2 C93.2 C94.2 C95.2 C96.2 C97.2 C98.2 C100.2 C101.2 C102.2 C103.2 C104.2 C106.2 C107.2 C108.2 C109.2 C110.2 C111.2 C112.2 C113.2 C114.2 C116.2 C117.2 C118.2 C120.2 C121.2 C122.2 C123.2 C124.2 C125.2 C126.2 C127.2 C128.2 C129.2 C130.2 C131.2 C132.2 C133.2 C134.2 C135.2 C136.2 C137.2 C138.2 C139.2 C140.2 C141.2 C146.2 C147.2 C148.2 C149.2 C150.2 CA1.2 CA2.2 CA7.2 CA8.2 CY1.2 CY2.2 D2.1 D2.2 H1.1 H2.1 H3.1 H4.1 J1.5 J1.S1 J1.S2 J1.S3 J1.S4 J1.S5 J1.S6 J2.3 J2.4 J3.2 J4.5 J4.6 J4.7 J4.8 J7.5 J7.17 J7.33 J7.37 J8.2 J13.6 J13.S1 J13.S2 J13.S3 J13.S4 Q1.2 Q2.2 Q3.2 Q4.2 QA3.2 R5.2 R7.2 R9.2 R11.2 R13.2 R15.2 R29.3 R30.2 R34.2 R36.2 R38.2 R43.2 R45.2 R46.2 R47.2 R53.2 RA2.2 RA8.2 RA11.2 RA14.2 RA15.2 RA16.2 RA24.1 SW1.4 T1.4 T2.4 T3.4 T4.4 TP5.1 U1.3 U3.2 U4.2 U5.4 U5.9 U6.4 U6.9 U7.2 U8.2 U11.2 U12.A4 U12.A5 U12.A6 U12.A12 U12.B1 U12.B2 U12.B12 U12.C1 U12.C2 U12.C4 U12.C7 U12.C8 U12.C9 U12.C10 U12.C11 U12.C12 U12.D1 U12.D12 U12.E1 U12.F1 U12.F3 U12.F7 U12.F9 U12.F11 U12.G1 U12.G10 U12.G12 U12.H1 U12.H2 U12.H3 U12.H5 U12.H6 U12.H7 U12.H9 U12.H10 U12.J1 U12.J2 U12.K1 U12.K2 U12.K12 U12.L1 U12.L2 U12.L3 U12.L7 U12.L8 U12.L9 U12.L10 U12.L11 U12.L12 U12.M4 U12.M5 U12.M6 U14.A8 U14.A18 U14.B1 U14.B11 U14.C4 U14.C9 U14.C14 U14.D17 U14.E10 U14.E20 U14.F3 U14.F7 U14.G10 U14.G12 U14.G16 U14.H7 U14.H9 U14.H11 U14.H13 U14.H19 U14.J2 U14.J8 U14.J12 U14.K5 U14.K7 U14.K11 U14.K13 U14.K15 U14.L8 U14.L12 U14.L18 U14.M1 U14.M7 U14.M11 U14.M13 U14.N4 U14.N8 U14.N10 U14.N12 U14.N14 U14.P7 U14.P9 U14.P11 U14.P13 U14.P17 U14.R8 U14.R12 U14.R20 U14.T3 U14.T7 U14.T13 U14.U6 U14.U16 U14.V9 U14.V19 U14.W2 U14.W12 U14.Y5 U14.Y15 U15.4 U15.9 U16.2 U16.11 U16.24 U16.25 U17.2 U18.A9 U18.B1 U18.B3 U18.B9 U18.D1 U18.D8 U18.E1 U18.E2 U18.E8 U18.F9 U18.G1 U18.G8 U18.G9 U18.J2 U18.J8 U18.M1 U18.M9 U18.P1 U18.P9 U18.T1 U18.T9 U19.3 U21.2 U21.5 U21.6 U21.25
VDDA1P1_RX_VCO: R32.2 U12.A11 U12.G2
+12L: C23.1 C27.1 C54.1 C56.1 C60.1 C62.1 C64.1 C69.1 C70.1 R8.1 U5.1 U5.2 U12.B9 U12.B10 U12.E2 U12.F2 U12.J3 U12.K3
+VSW: C71.1 L6.2 U12.H12
/Sheet1/TPP: C13.1 L2.2 L3.2 U5.5 U5.7 U5.8 U6.5 U6.7 U6.8
/Sheet3/RX1A_N: C85.1 U12.M2
/Sheet3/RX1A_P: C89.1 U12.M1
/Sheet3/RX2A_N: C83.1 U12.A1
/Sheet3/RX2A_P: C87.1 U12.A2
/Sheet3/SUP: C65.1 C72.2 D2.3
/Sheet3/TX1A_N: C84.1 L12.1 U12.M8
/Sheet3/TX1A_P: C88.1 L14.1 U12.M7
/Sheet3/TX2A_N: C82.1 L11.1 U12.A7
/Sheet3/TX2A_P: C86.1 L13.1 U12.A8
/Sheet3/UB1: J11.1 T1.2
/Sheet3/UB2: J9.1 T2.2
/Sheet3/UB3: J10.1 T3.2
/Sheet3/UB4: J12.1 T4.2
/Sheet3/XT1: C67.2 C72.1 C73.1 U12.M12
/Sheet4/CMDB0: J13.3 U16.20
/Sheet4/CMDB1: J13.5 U16.19
/Sheet4/DAT0: J13.7 U16.18
/Sheet4/DAT1: J13.8 U16.14
/Sheet4/DAT2: J13.1 U16.23
/Sheet4/DAT3: J13.2 U16.22
/Sheet4/DDR-CK_N: R48.2 U14.M2 U18.K7
/Sheet4/DDR-CK_P: R48.1 U14.L2 U18.J7
/Sheet4/DDR-DQ0: U14.C3 U18.E3
/Sheet4/DDR-DQ1: U14.B3 U18.F7
/Sheet4/DDR-DQ2: U14.A2 U18.F2
/Sheet4/DDR-DQ3: U14.A4 U18.F8
/Sheet4/DDR-DQ4: U14.D3 U18.H3
/Sheet4/DDR-DQ5: U14.D1 U18.H8
/Sheet4/DDR-DQ6: U14.C1 U18.G2
/Sheet4/DDR-DQ7: U14.E1 U18.H7
/Sheet4/DDR-DQ8: U14.E2 U18.D7
/Sheet4/DDR-DQ9: U14.E3 U18.C3
/Sheet4/DDR-DQ10: U14.G3 U18.C8
/Sheet4/DDR-DQ11: U14.H3 U18.C2
/Sheet4/DDR-DQ12: U14.J3 U18.A7
/Sheet4/DDR-DQ13: U14.H2 U18.A2
/Sheet4/DDR-DQ14: U14.H1 U18.B8
/Sheet4/DDR-DQ15: U14.J1 U18.A3
/Sheet4/DDR-LDM: U14.A1 U18.E7
/Sheet4/DDR-LDQS_N: U14.B2 U18.G3
/Sheet4/DDR-LDQS_P: U14.C2 U18.F3
/Sheet4/DDR-RESET: R46.1 U14.B4 U18.T2
/Sheet4/DDR-UDM: U14.F1 U18.D3
/Sheet4/DDR-UDQS_N: U14.F2 U18.B7
/Sheet4/DDR-UDQS_P: U14.G2 U18.C7
/Sheet4/H6: C99.2 C100.1 R33.2 R34.1 U14.H6
/Sheet4/P6: C105.2 C106.1 R35.2 R36.1 U14.P6
/Sheet4/PS-DDR-A0: U14.N2 U18.N3
/Sheet4/PS-DDR-A1: U14.K2 U18.P7
/Sheet4/PS-DDR-A2: U14.M3 U18.P3
/Sheet4/PS-DDR-A3: U14.K3 U18.N2
/Sheet4/PS-DDR-A4: U14.M4 U18.P8
/Sheet4/PS-DDR-A5: U14.L1 U18.P2
/Sheet4/PS-DDR-A6: U14.L4 U18.R8
/Sheet4/PS-DDR-A7: U14.K4 U18.R2
/Sheet4/PS-DDR-A8: U14.K1 U18.T8
/Sheet4/PS-DDR-A9: U14.J4 U18.R3
/Sheet4/PS-DDR-A10: U14.F5 U18.L7
/Sheet4/PS-DDR-A11: U14.G4 U18.R7
/Sheet4/PS-DDR-A12: U14.E4 U18.N7
/Sheet4/PS-DDR-A13: U14.D4 U18.T3
/Sheet4/PS-DDR-A14: U14.F4 U18.T7
/Sheet4/PS-DDR-BA0: U14.L5 U18.M2
/Sheet4/PS-DDR-BA1: U14.R4 U18.N8
/Sheet4/PS-DDR-BA2: U14.J5 U18.M3
/Sheet4/PS-DDR-CAS: U14.P5 U18.K3
/Sheet4/PS-DDR-CKE: U14.N3 U18.K9
/Sheet4/PS-DDR-CS: U14.N1 U18.L2
/Sheet4/PS-DDR-ODT: U14.N5 U18.K1
/Sheet4/PS-DDR-RAS: U14.P4 U18.J3
/Sheet4/PS-DDR-WE: U14.M5 U18.L3
/Sheet4/XTAL111: CY2.3 RA19.2
AD9363_AUXADC: U12.L5
AD9363_AUXDAC1: U12.B3
AD9363_AUXDAC2: U12.C3
AD9363_GPO_0: U12.B7
AD9363_GPO_1: U12.B6
AD9363_GPO_2: U12.B5
AD9363_GPO_3: U12.B4
BNO_boot: R56.2 U14.H15 U21.4
BNO_RESET: U14.G19 U21.11
CD: J13.DS R39.2 U14.B14
CSB: U14.H20 U19.4 U19.5
CTRL_IN0: U12.C5 U14.E17
CTRL_IN1: U12.C6 U14.D18
CTRL_IN2: U12.D6 U14.E18
CTRL_IN3: U12.D5 U14.E19
DONE: Q4.1 TP6.1
ETH_RXCTL: U14.D13
EXT_CLK_EN: J7.36 RA6.2 U11.3
EXTSYN: U14.G15 U21.10
FPGA-REST: C138.1 RA27.2 U14.C7
H-INT: U14.G20 U21.14
H_RX: U14.K14 U21.19
H_TX: U14.J14 U21.20
IO_02_34_AD9361_CLKOUT: U12.J6 U14.N17
IO_02_34_AD9361_RST: U12.K5 U14.P18
IO_L01_34_FB_CLK: U12.F10 U14.P15
IO_L01_34_RX_D0: U12.K11 U14.V13
IO_L01_34_RX_D1: U12.J12 U14.T14
IO_L02_34_RX_D2: U12.K10 U14.U13
IO_L02_34_RX_D3: U12.J11 U14.U12
IO_L03_34_RX_D4: U12.K9 U14.T12
IO_L03_34_RX_D5: U12.J10 U14.T10
IO_L04_34_RX_D6: U12.K8 U14.T11
IO_L04_34_RX_D7: U12.J9 U14.T15
IO_L4N_TO_35: J7.16 U14.D20
IO_L4P_TO_35: J7.15 U14.D19
IO_L05_34_RX_D8: U12.K7 U14.V12
IO_L05_34_RX_D9: U12.J8 U14.W13
IO_L06_34_RX_D10: U12.J7 U14.P14
IO_L06_34_RX_D11: U12.H8 U14.R14
IO_L07_34_RX_FRAME: U12.G8 U14.Y16
IO_L7N: J7.4 U14.M20
IO_L7P: J7.1 U14.M19
IO_L08_34_CTRL_OUT0: U12.D4 U14.W14
IO_L08_34_CTRL_OUT1: U12.E4 U14.Y14
IO_L08_34_CTRL_OUT2: U12.E5
IO_L08_34_CTRL_OUT3: U12.E6
IO_L08_34_CTRL_OUT4: U12.F6
IO_L08_34_CTRL_OUT5: U12.F5
IO_L08_34_CTRL_OUT6: U12.F4
IO_L08_34_CTRL_OUT7: U12.G4
IO_L09_34_TX_FRAME: U12.G9 U14.T16
IO_L9N: J7.2 U14.L20
IO_L10_34_EN_AGC: U12.G5 U14.W15
IO_L10P: J7.10 U14.V15
IO_L11_34_ENABLE: U12.G6 U14.U15
IO_L11_34_TXNRX: U12.H4 U14.U14
IO_L12_MRCC_34_DATA_CLK: U12.G11 U14.U18
IO_L12N: J7.7 U14.U19
IO_L13_34_CTRL_OUT2: U14.N18
IO_L13_34_CTRL_OUT3: U14.P19
IO_L15_34_TX_D0: U12.E12 U14.T20
IO_L15_34_TX_D1: U12.D11 U14.Y19
IO_L15N_T2: J7.14
IO_L15P_T2: J7.13 U14.F19 U14.F20
IO_L16_34_TX_D2: U12.E11 U14.U20
IO_L16_34_TX_D3: U12.D10 U14.V20
IO_L17_34_TX_D4: U12.E10 U14.W20
IO_L17_34_TX_D5: U12.D9 U14.Y18
IO_L18_34_TX_D6: U12.E9 U14.W16
IO_L18_34_TX_D7: U12.D8 U14.V16
IO_L19_34_TX_D8: U12.E8 U14.R17
IO_L19_34_TX_D9: U12.D7 U14.R16
IO_L20_34_TX_D10: U12.F8 U14.R18
IO_L20_34_TX_D11: U12.E7 U14.T17
IO_L21_34_CTRL_OUT4: U14.V17
IO_L21_34_CTRL_OUT5: U14.V18
IO_L22_34_CTRL_OUT6: U14.W18
IO_L22_34_CTRL_OUT7: U14.W19
IO_L23_35_SPI_CLK: U12.J5 U14.B19
IO_L23_35_SPI_ENB: U12.K6 U14.A20
IO_L24_35_SPI_D0: U12.L6 U14.C20
IO_L24_35_SPI_DI: U12.J4 U14.B20
IO_L24N: J7.8 U14.P16
JTAG_BOOT: J7.40 RA18.2
MAC_MDIO: U14.C11
PHY_RXD0: U14.D11
PHY_RXD2: U14.F15
PHY_RXD3: U14.A15
PHY_TXCLK: U14.A19
PHY_TXD0: U14.E14
PHY_TXD2: U14.D10
PHY_TXEN: U14.F14
PMOD0: J2.5 U14.B18
PMOD1: J2.7 U14.A17
PMOD2: J2.9 U14.C15
PMOD3: J2.11 U14.A16
PMOD4: J2.6 U14.B17
PMOD5: J2.8 U14.C16
PMOD6: J2.10 U14.D15
PMOD7: J2.12 U14.A14
PS: R53.1 U14.J20 U19.2
PS_MI00: J7.3 QA3.1 U14.E6
PS_MI09: J7.23 U14.B5
PS_MI010: U14.E9
PS_MI011: J7.6 U14.C6
PS_MI046: J7.22 U14.D16
PS_MI048: J7.20 U14.B12
PS_MI049: J7.19 U14.C12
PS_MI051: U14.B9
PS_MI052: J7.24 U14.C10
PS_MIO01_500_QSPI0_SS_B: RA12.2 U14.A7 U15.1
PS_MIO02_500_QSPI0_IO0: RA15.1 U15.5
PS_MIO03_500_QSPI0_IO1: RA16.1 U15.2
PS_MIO04_500_QSPI0_IO2: RA13.1 U15.3
PS_MIO05_500_QSPI0_IO0: U14.B8
PS_MIO05_500_QSPI0_IO1: U14.D6
PS_MIO05_500_QSPI0_IO2: U14.B7
PS_MIO05_500_QSPI0_IO3: RA17.2 RA18.1 U14.A6 U15.7
PS_MIO06_500_QSPI0_SCLK: RA11.1 U14.A5 U15.6
PS_MIO07_500_USB_RESET_B: J7.21
PS_MIO31_501_USB0_NXT: U14.E16
PS_MIO34_501_USB0_D2: U14.A12
